# Altium PCB PicoHAL.pcbdoc (part 1 of 5) (continued)
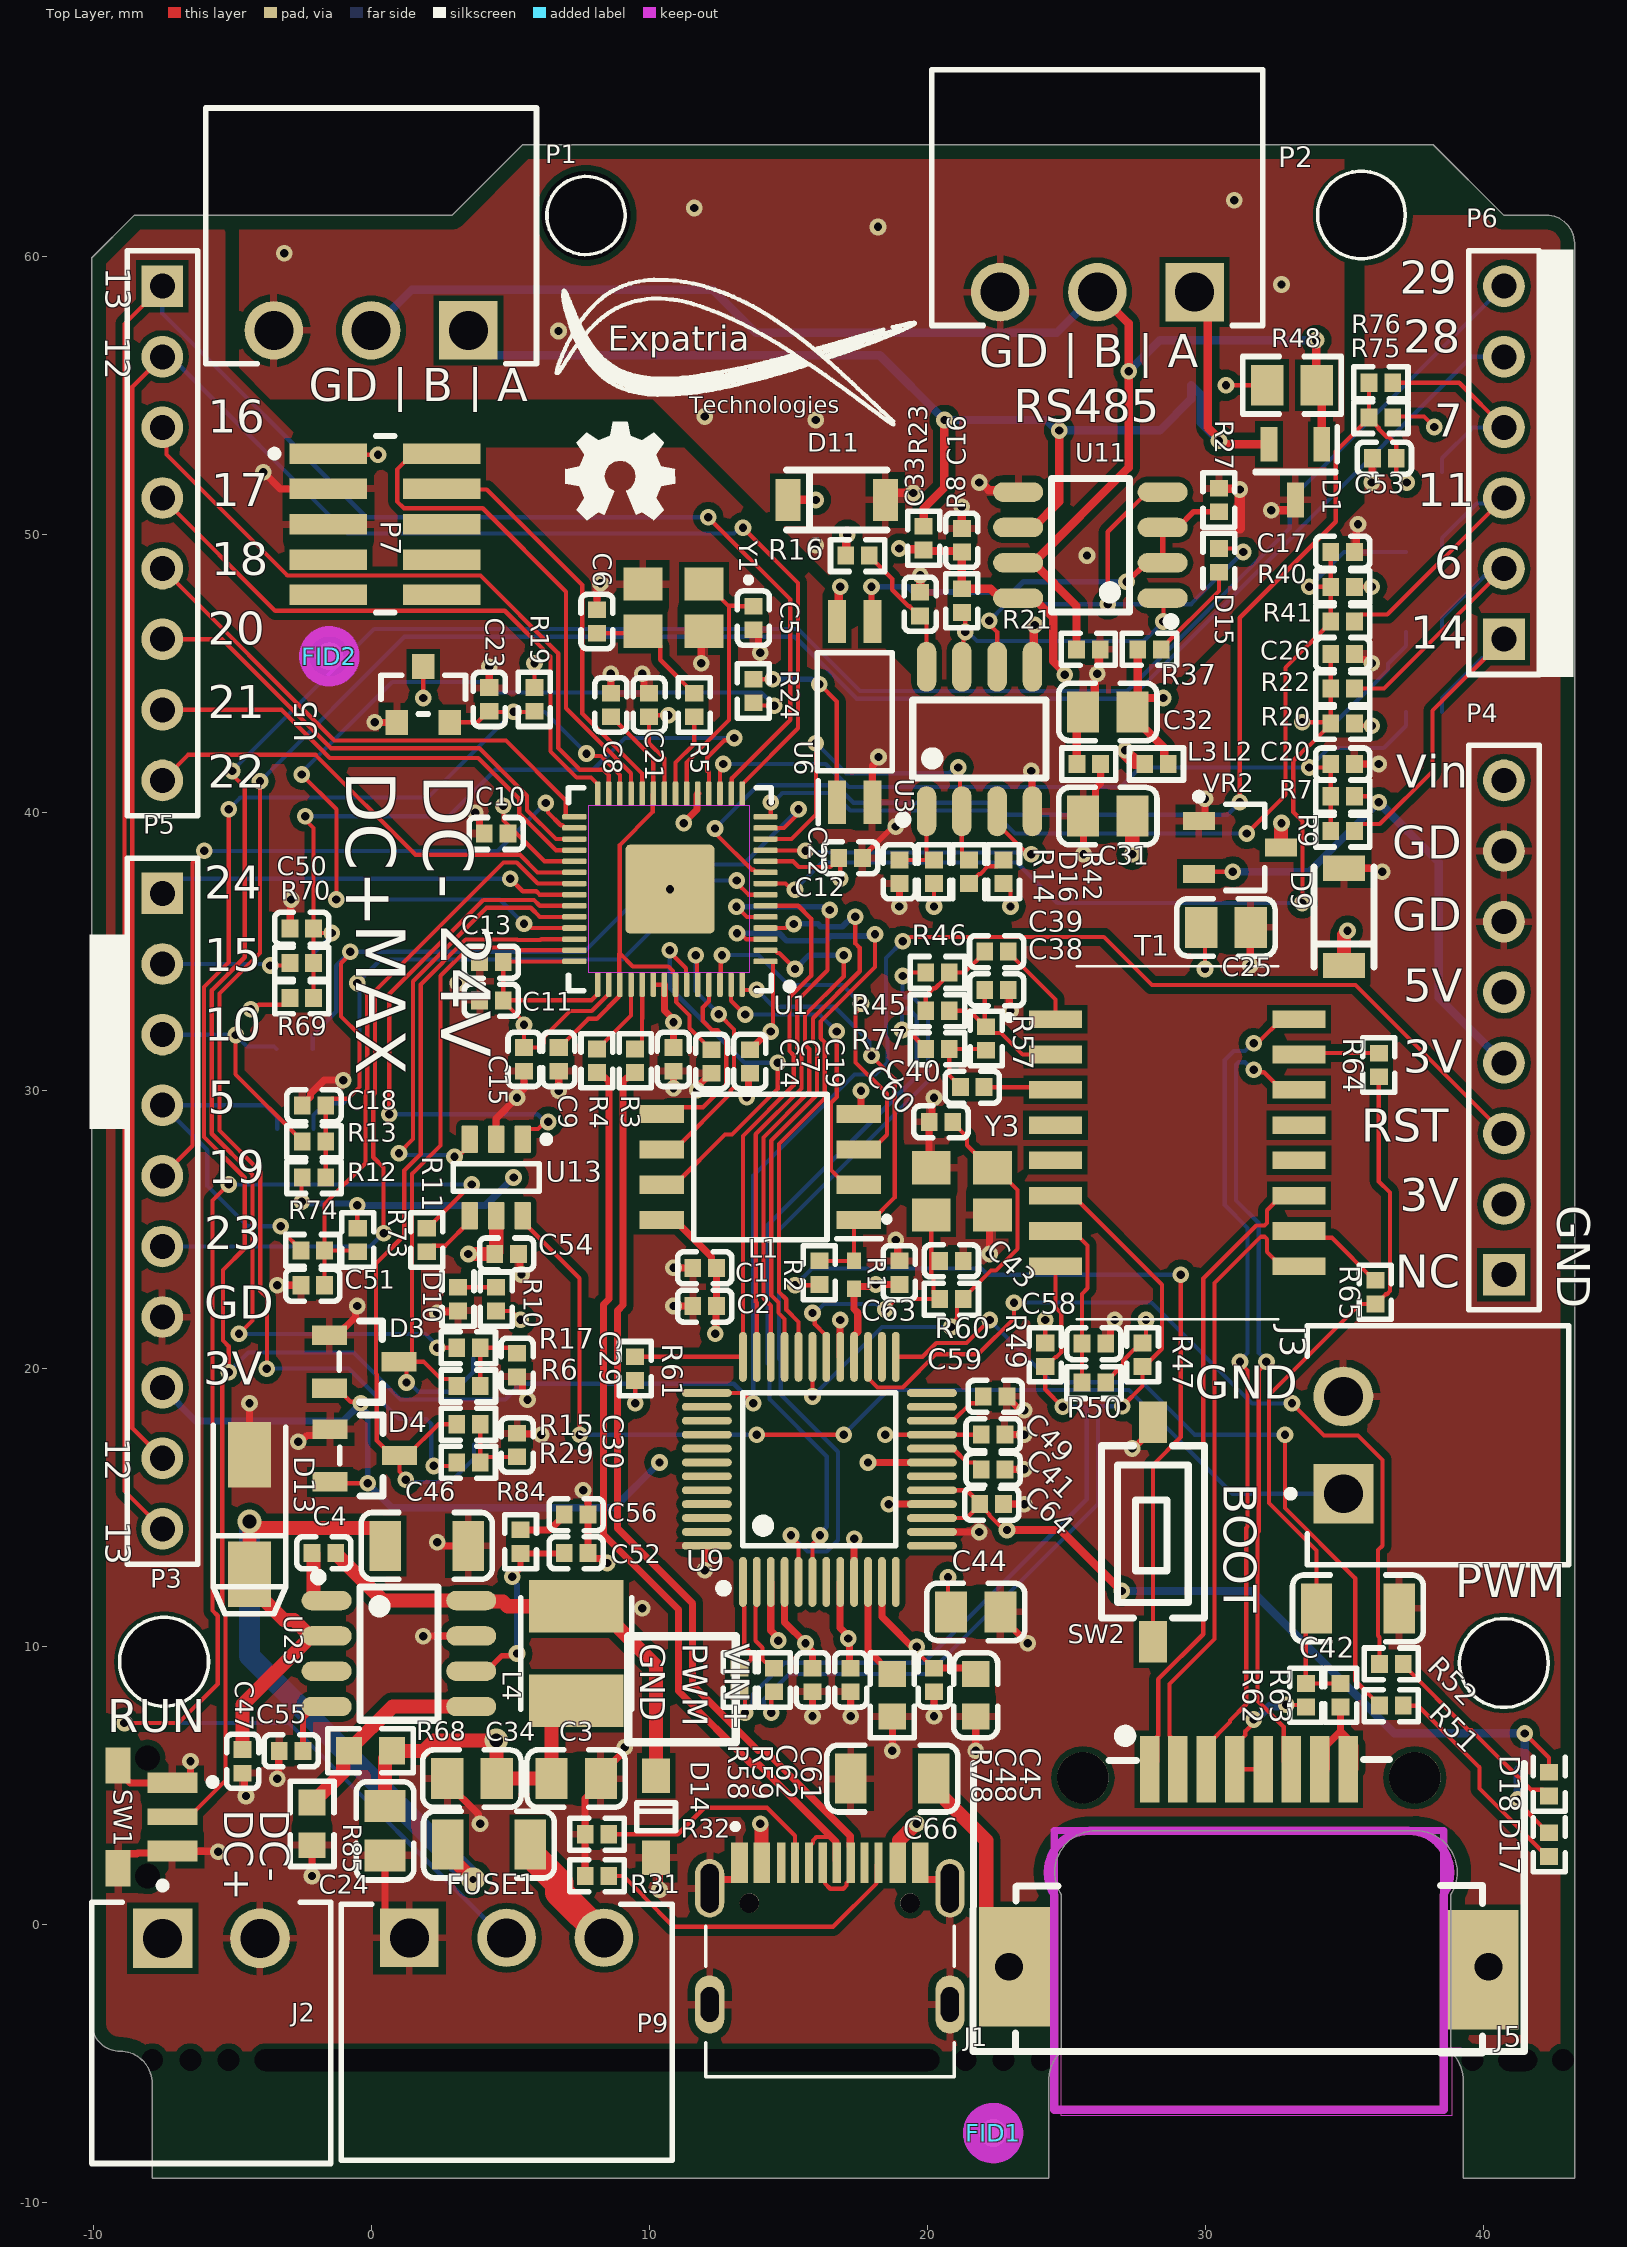
[diagram p0: Top Layer view]
## Footprints (in the part's own frame and the unit in brackets; to place one, negate y for a bottom-side part, rotate by r counter-clockwise, add the part's x,y. Pads: shape width x height; smd on the part's side, far side on the other; paste and mask are expansions set on the pad) (continued)
  Keep-Out Layer board cut-out: -7,-8.636 -7,-0.901 -7.171,-0.518 -7.23,-0.103 -7.23,-0.103 -7.116,0.471 -6.791,0.958 -6.304,1.283 -5.73,1.397 -5.73,1.397 5.74,1.397 6.314,1.283 6.801,0.958 7.126,0.471 7.24,-0.103 7.24,-0.103 7.181,-0.518 7.01,-0.901 7.01,-0.901 7.01,-8.636
  Keep-Out Layer lines w0.254: -7.63,-6.54 -7,-6.54 -7,1.41 7.01,1.41 7.01,-6.52 7.62,-6.52
  silkscreen extent -9.93,-6.6 9.91,5.01, body extent -8.79,-9.38 8.76,5.32, height 7.26
RP2040 [mm]
  rrect50% 0.875x0.2 smd: 1(-3.437,2.6) 2(-3.437,2.2) 3(-3.437,1.8) 4(-3.437,1.4) 5(-3.437,1) 6(-3.437,0.6) 7(-3.438,0.2) 8(-3.438,-0.2) 9(-3.438,-0.6) 10(-3.437,-1) 11(-3.437,-1.4) 12(-3.437,-1.8) 13(-3.437,-2.2) 14(-3.437,-2.6) 29(3.437,-2.6) 30(3.437,-2.2) 31(3.437,-1.8) 32(3.437,-1.4) 33(3.437,-1) 34(3.438,-0.6) 35(3.438,-0.2) 36(3.438,0.2) 37(3.437,0.6) 38(3.437,1) 39(3.437,1.4) 40(3.437,1.8) 41(3.437,2.2) 42(3.437,2.6)
  rrect50% 0.2x0.875 smd: 15(-2.6,-3.437) 16(-2.2,-3.437) 17(-1.8,-3.437) 18(-1.4,-3.437) 19(-1,-3.437) 20(-0.6,-3.437) 21(-0.2,-3.438) 22(0.2,-3.438) 23(0.6,-3.438) 24(1,-3.437) 25(1.4,-3.437) 26(1.8,-3.437) 27(2.2,-3.437) 28(2.6,-3.437) 43(2.6,3.437) 44(2.2,3.437) 45(1.8,3.437) 46(1.4,3.437) 47(1,3.437) 48(0.6,3.438) 49(0.2,3.438) 50(-0.2,3.438) 51(-0.6,3.437) 52(-1,3.437) 53(-1.4,3.437) 54(-1.8,3.437) 55(-2.2,3.437) 56(-2.6,3.437)
  rrect10% 3.2x3.2 smd: 57(0,0)
  silkscreen extent -4.43,-3.65 3.65,3.65, body extent -3.5,-3.5 3.5,3.5, height 0.9
SMTC-FTSH-105-01-L-DV_V [mm] "CONN, 10-Leads, Body 6.35x3.43mm, Pitch 1.27mm"
  rect 0.74x2.79 smd: 1(-2.54,-2.035) 2(-2.54,2.035) 3(-1.27,-2.035) 4(-1.27,2.035) 5(0,-2.035) 6(0,2.035) 7(1.27,-2.035) 8(1.27,2.035) 9(2.54,-2.035) 10(2.54,2.035)
  silkscreen extent -3.17,-4.1 3.17,0.34, body extent -3.17,-2.92 3.18,2.92, height 5.96
SOD-123 [mm]
  rect 1.25x1 smd: 1(1.475,0) 2(-1.475,0)
  silkscreen extent -0.5,-0.7 0.5,0.7, body extent -1.85,-0.77 1.85,0.78, height 1.35
SOIC127P700X200-4N [mm]
  rect 1.55x0.65 smd: 1(-3.25,0.635) 2(-3.25,-0.635) 3(3.25,-0.635) 4(3.25,0.635)
  silkscreen extent -4.03,-1.35 2.12,1.35, body extent -3.5,-1.35 3.5,1.35, height 2
SOIC127P780X195-8N [mm]
  rect 1.6x0.65 smd: 1(-3.55,1.905) 2(-3.55,0.635) 3(-3.55,-0.635) 4(-3.55,-1.905) 5(3.55,-1.905) 6(3.55,-0.635) 7(3.55,0.635) 8(3.55,1.905)
  silkscreen extent -4.35,-2.62 2.4,2.62, body extent -3.9,-2.62 3.9,2.62, height 1.95
SOIC-8_150mil [mm]
  oval 0.7x1.8 smd: 1(-1.905,-2.6) 2(-0.635,-2.6) 3(0.635,-2.6) 4(1.905,-2.6) 5(1.905,2.6) 6(0.635,2.6) 7(-0.635,2.6) 8(-1.905,2.6)
  silkscreen extent -2.9,-3.05 2.4,1.4, body extent -2.45,-3 2.45,3, height 1.75
SOT95P230X117-3N [mm]
  rect 1.25x0.6 smd: 1(-1,0.95) 2(-1,-0.95) 3(1,0)
  silkscreen extent -1.63,-1.45 0.03,1.5, body extent -1.15,-1.45 1.15,1.45, height 1.17
SOT-23(SOT-23-3) [mm]
  rect 1.25x0.7 smd: 1(1.25,-0.95) 2(1.25,0.95) 3(-1.25,0)
  silkscreen extent -0.65,-1.46 0.9,1.46, body extent -1.5,-1.5 1.5,1.5, height 1.3
SOT-23-3L [mm] "http://www.aosmd.com/res/packaging_information/SOT-23-3L.pdf"
  rect 1.15x0.65 smd: 1(1.475,-0.95) 2(1.475,0.95) 3(-1.475,0)
  silkscreen extent -0.9,-1.95 1.6,1.55, body extent -0.9,-1.55 0.9,1.55, height 1.25
SW-SMD_L6.1-W3.6-LS7.9 [mm] "Tactile Switch"
  rect 1.5x1 smd paste+0 mask+0.051: 1(-3.95,0) 2(3.95,0)
  silkscreen extent -3.1,-1.85 3.1,1.85, body extent -3.95,-1.8 3.95,1.8, height 2.5
YSX321SL [mm]
  rect 1.4x1.2 smd: 1(-1.1,-0.85) 2(1.1,-0.85) 3(1.1,0.85) 4(-1.1,0.85)
  silkscreen extent -2.8,-1.1 -2.6,-0.9, body extent -1.68,-1.33 1.68,1.33, height 0.9

## Part data
C1 C4 C7 C8 C11 C12 C13 C14 C15 C19 C21 C22 C23 C29 C30 C33 C48 C49 C61 C62 C63 C64: library part "0402 100nF (104) 10% 16V", "Chip capacitors", Manufacturer="Samsung Electro-Mechanics", Package=0402, PartNumber=CL05B104KO5NNNC, SuppliersPartNumber=C1525, Tolerance=10%, VOLTAGE=16V, Capacitance=100nF, ComponentLink1Description="Supplier link", ComponentLink1URL=http://www.szlcsc.com/product/details_1877.html, Supplier=LC
C2 C41: library part "0402 4.7uF (475) 20% 10V", "Chip capacitor", Manufacturer="Samsung Electro-Mechanics", Package=0402, PartNumber=CL05A475MP5NRNC, SuppliersPartNumber=C23733, Tolerance=20%, VOLTAGE=10V, Capacitance=4.7uF, ComponentLink1Description="Supplier link", ComponentLink1URL=http://www.szlcsc.com/product/details_24469.html, Supplier=LC
C3 C24 C25 C34 C44: library part "0805 22uF (226) 20% 25V", "Chip capacitors", Manufacturer="Samsung Electro-Mechanics", Package=0805, PartNumber=CL21A226MAQNNNE, SuppliersPartNumber=C2922481, Tolerance=20%, VOLTAGE=25V, Capacitance=22uF, ComponentLink1Description="Supplier link", ComponentLink1URL=http://www.szlcsc.com/product/details_46786.html, Supplier=LC
C5 C6: library part "0402 20pF (200) 5% 50V", "Chip capacitors", Manufacturer="Guangdong Fenghua Advanced Tech", Package=0402, PartNumber=0402CG200J500NT, SuppliersPartNumber=C1554, Tolerance=5%, VOLTAGE=50V, Capacitance=20pF, ComponentLink1Description="Supplier link", ComponentLink1URL=http://www.szlcsc.com/product/details_1906.html, Supplier=LC
C9 C10 C16 C54: library part "0402 1.0uF (105) 10% 25V", "Chip capacitor", Capacitance=1uF, Manufacturer="Samsung Electro-Mechanics", Package=0402, PartNumber=CL05A105KA5NQNC, SuppliersPartNumber=C52923, Tolerance=10%, VOLTAGE=25V, ComponentLink1Description="Supplier link", ComponentLink1URL=http://www.szlcsc.com/product/details_53938.html, Supplier=LC
C17 C18 C20 C26 C50 C51 C53: library part "0402 470nF (474) 10% 10V", "Chip capacitors", Manufacturer="Samsung Electro-Mechanics", Package=0402, PartNumber=CL05A474KP5NNNC, SuppliersPartNumber=C47339, Tolerance=10%, VOLTAGE=10V, Capacitance=470nF, ComponentLink1Description="Supplier link", ComponentLink1URL=http://www.szlcsc.com/product/details_48344.html, Supplier=LC
C31: library part "0805 4.7uF (475) 10% 25V", "Chip capacitors", Manufacturer="Samsung Electro-Mechanics", Package=0805, PartNumber=CL21A475KAQNNNE, SuppliersPartNumber=C1779, Tolerance=10%, VOLTAGE=25V, Capacitance=4.7uF, ComponentLink1Description="Supplier link", ComponentLink1URL=http://www.szlcsc.com/product/details_2131.html, Supplier=LC
C32: library part "0805 22uF (226) 20% 25V", "Chip capacitors", Manufacturer="Samsung Electro-Mechanics", Package=0805, PartNumber=CL21A226MAQNNNE, SuppliersPartNumber=C45783, Tolerance=20%, VOLTAGE=25V, Capacitance=22uF, ComponentLink1Description="Supplier link", ComponentLink1URL=http://www.szlcsc.com/product/details_46786.html, Supplier=LC
C38 C47 C55 C56 C59: library part "0402 10nF (103) 10% 50V", "Chip capacitors", Manufacturer="Samsung Electro-Mechanics", Package=0402, PartNumber=CL05B103KB5NNNC, SuppliersPartNumber=C15195, Tolerance=10%, VOLTAGE=50V, Capacitance=10nF, ComponentLink1Description="Supplier link", ComponentLink1URL=http://www.szlcsc.com/product/details_15869.html, Supplier=LC
C39 C40: library part "0402 6.8nF (682) 10% 50V", "Chip capacitors", Manufacturer="Guangdong Fenghua Advanced Tech", Package=0402, PartNumber=0402B682K500NT, SuppliersPartNumber=C1542, Tolerance=10%, VOLTAGE=50V, Capacitance=6.8nF, ComponentLink1Description="Supplier link", ComponentLink1URL=http://www.szlcsc.com/product/details_1894.html, Supplier=LC
C42 C66: library part "1206 1nF (102) 10% 500V", "Chip capacitors", Manufacturer="Samsung Electro-Mechanics", Package=1206, PartNumber=CL31B102KGFNNNE, SuppliersPartNumber=C35216, Tolerance=10%, VOLTAGE=500V, Capacitance=1nF, ComponentLink1Description="Supplier link", ComponentLink1URL=http://www.szlcsc.com/product/details_36187.html, Supplier=LC
C43 C52 C60: library part "0402 10pF (100) 5% 50V", "Chip capacitors", Manufacturer="Samsung Electro-Mechanics", Package=0402, PartNumber=CL05C100JB5NNNC, SuppliersPartNumber=C32949, Tolerance=5%, VOLTAGE=50V, Capacitance=10pF, ComponentLink1Description="Supplier link", ComponentLink1URL=http://www.szlcsc.com/product/details_33914.html, Supplier=LC
C45: library part "0603 4.7uF (475) 10% 16V", "Chip capacitors", Manufacturer="Samsung Electro-Mechanics", Package=0603, PartNumber=CL10A475KO8NNNC, SuppliersPartNumber=C19666, Tolerance=10%, VOLTAGE=16V, Capacitance=4.7uF, ComponentLink1Description="Supplier link", ComponentLink1URL=http://www.szlcsc.com/product/details_20375.html, Supplier=LC
C46: library part "1206 10uF (106) 10% 50V", "Chip capacitors", Manufacturer="Samsung Electro-Mechanics", Package=1206, PartNumber=CL31A106KBHNNNE, SuppliersPartNumber=C13585, Tolerance=10%, VOLTAGE=50V, Capacitance=10uF, Manufacturer 1="Samsung Electro-Mechanics", Supplier=LC
C58: library part "0402 22nF (223) 10% 50V", "Chip capacitors", Manufacturer="Guangdong Fenghua Advanced Tech", Package=0402, PartNumber=0402B223K500NT, SuppliersPartNumber=C1532, Tolerance=10%, VOLTAGE=50V, Capacitance=22nF, ComponentLink1Description="Supplier link", ComponentLink1URL=http://www.szlcsc.com/product/details_1884.html, Supplier=LC
D1: library part CDSOT23-SM712, "Bidirectional 12V (Max), 7V (Max) 7.5V / 13.3V 10V / 20V 12A(8/20us) SOT-23-3 TVS RoHS", Manufacturer_Name=DOWO, SuppliersPartNumber=C293966, HEIGHT=1.17mm, Manufacturer_Part_Number=SM712
D3 D4: library part "SOT-23 BAT54S", "30V Dual 200mA 800mV@100mA SOT-23 Schottky Barrier Diodes (SBD) ROHS", Package=SOT-23, SuppliersPartNumber=C916425, ComponentLink1Description=供应商链接, ComponentLink1URL=http://www.szlcsc.com/product/details_2877.html, Supplier=LC
D9 D11: library part "LL-34 ZMM5V6", "500mW - 0.1uA @ 1V 5.6V LL-34 Zener Diodes ROHS", Package=LL-34, SuppliersPartNumber=C8062, ComponentLink1Description=供应商链接, ComponentLink1URL=http://www.szlcsc.com/product/details_8541.html, Supplier=LC
D10 D15 D17: library part "0402 LED Green", "LED", Color=Green, Package=0402, SuppliersPartNumber=C130723, Supplier=LC
D13: library part BZT52C27, "27V ±5% 1W 500nA @ 20.5V SMA(DO-214AC) Zener Diodes RoHS", Package=SMA(DO-214AC), SuppliersPartNumber=C155318, ComponentLink1Description=供应商链接, ComponentLink1URL=http://www.szlcsc.com/product/details_8541.html, Supplier=LC
D14: library part "SOD-123 B5819W  SL", "Schottky Diode", Package=SOD-123, SuppliersPartNumber=C8598, ComponentLink1Description=供应商链接, ComponentLink1URL=http://www.szlcsc.com/product/details_9093.html, Supplier=LC
D16: library part "0402 LED Red", "LED", Color=Red, Package=0402, SuppliersPartNumber=C130720, Supplier=LC
D18: library part "0402 LED Yellow", "LED", Color=Yellow, Package=0402, SuppliersPartNumber=C130721, ComponentLink1Description=供应商链接, ComponentLink1URL=http://www.szlcsc.com/product/details_73147.html, Supplier=LC
FID1 FID2: "FIDUCIAL NO ASSEMBLY", Manufacturer 1=NONE, Manufacturer Part Number 1=NONE
FUSE1: library part JK-nSMD050-24, "24V 1A 0.1s 1206 PTC Resettable Fuses RoHS", Manufacturer="Jinrui Electronic Materials Co.", Package=1206, SuppliersPartNumber=C369160, PartNumber=JK-nSMD050-24, Supplier=LC
J1: "USB Connectors 24 Receptacle 1 8.94*7.3mm RoHS", Package=Package, SuppliersPartNumber=C165948, Availability=Unavailable, MF="HRO Electronics Co., Ltd.", MP=TYPE-C-31-M-12, Price=None, SnapEDA_Link=https://www.snapeda.com/parts/TYPE-C-31-M-12/HRO%20Electronics%20Co.,%20Ltd./view-part/3228496/?ref=snap
J2: library part CMP-1502-01791-2, "TERM BLOCK HDR 2POS 90DEG 3.5MM", Color=Green, Current=10A, Flammability Rating="UL94 V-0", Package Quantity=1000, SuppliersPartNumber=C395830, VOLTAGE=300V, Contact Material=Brass, HEIGHT=9.2mm, Housing Material=Nylon, Lead Free="Lead Free", Length=10.5mm, Mount="Through Hole", Number of Contacts=2, Number of Levels=1, Number of Positions=2, Number of Positions Per Level=2, Number of Rows=1, Packaging=Bulk, Pitch=3.5mm, RoHS Compliant=Yes, Series="WR-TBL Series 3221", Termination=Solder, Width=8.1mm
J3: library part CMP-1502-01791-2, "TERM BLOCK HDR 2POS 90DEG 3.5MM", SuppliersPartNumber=C880572
J4 J7 J8 J9 J10 J11 J12 J13 J14 J15: library part 2waySolderNO, ComponentLink1Description=Source, ComponentLink1URL=http://www.edatools.cz/addons
J5: library part MJ88-B011-HLSV6-P, "Micro USB", SuppliersPartNumber=C501463, MF=Heling, Part+Number=MJ88-B011-HLSV6-P
L1: "Inductor", Arrow Part Number="W25Q128JVSIQ TR", Manufacturer_Name=Winbond, Mouser Part Number=454-W25Q128JVSIQTR, SuppliersPartNumber=C97521, Arrow Price/Stock=https://www.arrow.com/en/products/w25q128jvsiqtr/winbond-electronics?region=nac, Datasheet Link=http://www.winbond.com/resource-files/w25q128jv%20spi%20revc%2011162016.pdf, HEIGHT=1.95mm, Manufacturer_Part_Number="W25Q128JVSIQ TR", Mouser Price/Stock=https://www.mouser.co.uk/ProductDetail/Winbond/W25Q128JVSIQ-TR?qs=qSfuJ%252Bfl%2Fd7vTyLA9kNdGw%3D%3D
L2 L3: library part "0402 220R@100Mhz 0.1A", "Ferrite Bead", Package=0402, SuppliersPartNumber=C92617, Supplier=LC
L4: library part "4x4x3 22uH 20%", "1A 22uH ±20% SMD,4x4x3mm Power Inductors ROHS", Package=SMD,4x4x3mm, SuppliersPartNumber=C167883, Supplier=LC
P1: library part CMP-1502-01792-1, "Serie 3221 - 3.50mm Horizontal PCB Header WR-TBL, 3 pin", Manufacturer="Wurth Elektronik", Operating Temperature=-40to105degC, SuppliersPartNumber=C430551, Datasheet URL=http://katalog.we-online.de/em/datasheet/6913221100xx.pdf, Gender=Male, Manufacturer URL=http://www.we-online.de, Mounting Technology=THT, Package Reference=691322110003, Packaging=Box, Part Number=691322110003, Pin Number=3, Pitch=3.50mm, Publisher=WurthElektronik
P2 P9: library part CMP-1502-01792-1, "Serie 3221 - 3.50mm Horizontal PCB Header WR-TBL, 3 pin", SuppliersPartNumber=C880573
P3: library part "Header 10", "Header, 10-Pin", SuppliersPartNumber=C2905418, LatestRevisionDate=17-Jul-2002, LatestRevisionNote="Re-released for DXP Platform.", Publisher="Altium Limited"
P4 P5: library part "Header 8", "Header, 8-Pin", SuppliersPartNumber=C27438, LatestRevisionDate=17-Jul-2002, LatestRevisionNote="Re-released for DXP Platform.", Publisher="Altium Limited"
P6: library part "Header 6", "Header, 6-Pin", SuppliersPartNumber=C40877, LatestRevisionDate=17-Jul-2002, LatestRevisionNote="Re-released for DXP Platform.", Publisher="Altium Limited"
P7: library part CMP-2000-05354-1, "Male Header, Pitch 1.27 mm, 2 x 5 Position, Height 5.96 mm, -55 to 125 degC, RoHS, Bulk", Color=Black, Manufacturer=Samtec, Standard Package=1, Catalog Drawings=FTSHSeriesFTSHSeriesSMTSide, Category=Connectors,Interconnects, Connector Type=Header,Unshrouded, Contact Finish=Gold, Contact Finish Thickness=10µin(0.25µm), Contact Mating Length="0.120\"(3.05mm)", Contact Type=MalePin, Datasheet URL=https://datasheet.ciiva.com/30493/0900766b80adfe36-30493006.pdf, Datasheet Version=Feb-08, EDA / CAD Models=DownloadfromAcceleratedDesigns, Family=RectangularConnectors-Headers,MalePins, Fastening Type=-, Featured Product=Board-To-BoardInterconnectSystems, Features=-, Manufacturer URL=http://www.samtec.com/, Mating Products="FLE-105-01-G-DV-TR-ND-CONNSKT1.27MM10POSDUALSMDCLP-105-02-G-D-P-TR-ND-CONNRCPT10POSDUAL.05\"SMDSFMC-105-L2-S-D-TR-ND-CONN.05\"SURFACE10POSSMTSFMH-105-02-L-D-TR-ND-CONNRECEPT10POS.50\"SMTFLE-105-01-G-DV-A-ND-CONNSKT1.27MM10POSDUALSMDCLP-105-02-G-D-BE-ND-CONNRCPT10POSDUAL.05\"SMDFLE-105-01-G-DV-A-P-ND-CONNSKT1.27MM10POSDUALSMDSAM1153-05-ND-CONNRCPT10POSDUAL.05\"SMDSAM1155-05-ND-CONNRCPT10POSDUAL.05\"SMDSAM1154-05-ND-CONNRCPT10POSDUAL.05\"SMDSFMH-105-02-L-D-LC-ND-CONNRECEPT10POS.50\"SMTSAM1226-05-ND-CONNRCPT.05\"10POSDUALSMD", Mounting Type=SurfaceMount, Number of Positions=10, Number of Positions Loaded=All, Number of Rows=2, Online Catalog=FTSHSeries, Other Names=SAM1161-05, Packaging=Bulk, Pitch="0.050\"(1.27mm)", Product Training Modules=Board-to-BoardConnectors, Row Spacing="0.050\"(1.27mm)", Series=FTSH, Termination=Solder
R1: library part RES, "Resistor, ±5%, 0.05W", Part Number=R0201-0R, Part number IPS=00000003245, Artikkelnr Noca=N.A., ComponentLink1Description=Datasheet, ComponentLink2Description="Supplier link", Footprint Doc=0201, LatestRevisionDate=2017-11-09, Note="Chip Res 5%", Pin Count=2, Published=2014-11-13, Publisher="Nordic Semiconductor"
R2 R8 R10 R21 R23 R27: library part "0402 1K (1001) 1%", "Chip resistor", Manufacturer="Uniroyal Elec", Package=0402, PartNumber=0402WGF1001TCE, Power=1/16W, Resistance=1KΩ, SuppliersPartNumber=C11702, Tolerance=1%, ComponentLink1Description="Supplier link", ComponentLink1URL=http://www.szlcsc.com/product/details_12256.html, Supplier=LC
R3 R4: library part "0402 22R (22R0) 1%", "Chip resistor", Manufacturer="Uniroyal Elec", Package=0402, PartNumber=0402WGF220JTCE, Power=1/16W, Resistance=22Ω, SuppliersPartNumber=C25092, Tolerance=1%, ComponentLink1Description="Supplier link", ComponentLink1URL=http://www.szlcsc.com/product/details_25835.html, Supplier=LC
R5: library part "0402 470R (4700) 1%", "Chip resistor", Manufacturer="Uniroyal Elec", Package=0402, PartNumber=0402WGF4700TCE, Power=1/16W, Resistance=470Ω, SuppliersPartNumber=C25117, Tolerance=1%, ComponentLink1Description="Supplier link", ComponentLink1URL=http://www.szlcsc.com/product/details_25860.html, Supplier=LC
R6 R15 R17 R29: library part "0402 2.2K (2201) 1%", "Chip resistor", Manufacturer="Uniroyal Elec", Package=0402, PartNumber=0402WGF2201TCE, Power=1/16W, Resistance=2.2KΩ, SuppliersPartNumber=C25879, Tolerance=1%, ComponentLink1Description="Supplier link", ComponentLink1URL=http://www.szlcsc.com/product/details_26622.html, Supplier=LC
R7 R12 R19 R20 R40 R69 R73 R75: library part "0402 10K (1002) 1%", "Chip resistor", Manufacturer="Uniroyal Elec", Package=0402, PartNumber=0402WGF1002TCE, Power=1/16W, Resistance=10KΩ, SuppliersPartNumber=C25744, Tolerance=1%, ComponentLink1Description="Supplier link", ComponentLink1URL=http://www.szlcsc.com/product/details_26487.html, Supplier=LC
R9 R13 R22 R41 R42 R70 R74 R76: library part "0402 510R (5100) 1%", "Chip resistor", Manufacturer="Uniroyal Elec", Package=0402, PartNumber=0402WGF5100TCE, Power=1/16W, Resistance=510Ω, SuppliersPartNumber=C25123, Tolerance=1%, Supplier=LC
  R9 R13 R22 R41 R70 R74 R76: ComponentLink1Description="Supplier link", ComponentLink1URL=http://www.szlcsc.com/product/details_25866.html
R11 R62 R63 R64 R65: library part "0402 75R (75R0) 1%", "Chip resistor", Manufacturer="Uniroyal Elec", Package=0402, PartNumber=0402WGF750JTCE, Power=1/16W, Resistance=75Ω, SuppliersPartNumber=C25133, Tolerance=1%, ComponentLink1Description="Supplier link", ComponentLink1URL=http://www.szlcsc.com/product/details_25876.html, Supplier=LC
R14 R16: library part "0402 0R (0R0) 1%", "Chip resistor", Manufacturer="Uniroyal Elec", Package=0402, PartNumber=0402WGF0000TCE, Power=1/16W, Resistance=0Ω, SuppliersPartNumber=C17168, Tolerance=1%, ComponentLink1Description="Supplier link", ComponentLink1URL=http://www.szlcsc.com/product/details_17853.html, Supplier=LC
R24: library part "0402 200R (2000) 1%", "Chip resistor", Manufacturer="Uniroyal Elec", Package=0402, PartNumber=0402WGF2000TCE, Power=1/16W, Resistance=200Ω, SuppliersPartNumber=C25087, Tolerance=1%, ComponentLink1Description="Supplier link", ComponentLink1URL=http://www.szlcsc.com/product/details_25830.html, Supplier=LC
R31 R32: library part "0402 5.1K (5101) 1%", "Chip resistor", Manufacturer="Uniroyal Elec", Package=0402, PartNumber=0402WGF5101TCE, Power=1/16W, Resistance=51.1KΩ, SuppliersPartNumber=C25905, Tolerance=1%, ComponentLink1Description="Supplier link", ComponentLink1URL=http://www.szlcsc.com/product/details_26648.html, Supplier=LC
R37: library part "0402 2.4K (2401) 1%", "Chip resistor", Manufacturer="Uniroyal Elec", Package=0402, PartNumber=0402WGF2401TCE, Power=1/16W, Resistance=2.4KΩ, SuppliersPartNumber=C25882, Tolerance=1%, ComponentLink1Description="Supplier link", ComponentLink1URL=http://www.szlcsc.com/product/details_26625.html, Supplier=LC
R45 R47 R49 R57: library part "0402 49.9R (49R9) 1%", "Chip resistor", Manufacturer="Uniroyal Elec", Package=0402, PartNumber=0402WGF499JTCE, Power=1/16W, Resistance=49.9Ω, SuppliersPartNumber=C25120, Tolerance=1%, ComponentLink1Description="Supplier link", ComponentLink1URL=http://www.szlcsc.com/product/details_25863.html, Supplier=LC
R46 R58 R59 R77: library part "0402 33R (33R0) 1%", "Chip resistor", Manufacturer="Uniroyal Elec", Package=0402, PartNumber=0402WGF330JTCE, Power=1/16W, Resistance=33Ω, SuppliersPartNumber=C25105, Tolerance=1%, ComponentLink1Description="Supplier link", ComponentLink1URL=http://www.szlcsc.com/product/details_25848.html, Supplier=LC
R48: library part "0805 120R (1200) 1%", "Chip resistor", Manufacturer="Uniroyal Elec", Package=0805, Power=1/8W, SuppliersPartNumber=C17437, Tolerance=1%, ComponentLink1Description="Supplier link", ComponentLink1URL=http://www.szlcsc.com/product/details_18125.html, Supplier=LC
R50: library part "0402 10R (10R0) 1%", "Chip resistor", Manufacturer="Uniroyal Elec", Package=0402, PartNumber=0402WGF100JTCE, Power=1/16W, Resistance=10Ω, SuppliersPartNumber=C25077, Tolerance=1%, ComponentLink1Description="Supplier link", ComponentLink1URL=http://www.szlcsc.com/product/details_25820.html, Supplier=LC
R51 R52: library part "0402 330R (3300) 1%", "Chip resistor", Manufacturer="Uniroyal Elec", Package=0402, PartNumber=0402WGF3300TCE, Power=1/16W, Resistance=330Ω, SuppliersPartNumber=C25104, Tolerance=1%, ComponentLink1Description="Supplier link", ComponentLink1URL=http://www.szlcsc.com/product/details_25847.html, Supplier=LC
R60: library part "0402 1M (1004) 1%", "Chip resistor", Manufacturer="Uniroyal Elec", Package=0402, PartNumber=0402WGF1004TCE, Power=1/16W, Resistance=1MΩ, SuppliersPartNumber=C26083, Tolerance=1%, ComponentLink1Description="Supplier link", ComponentLink1URL=http://www.szlcsc.com/product/details_26826.html, Supplier=LC
R61: library part "0402 4.7K (4701) 1%", "Chip resistor", Manufacturer="Uniroyal Elec", Package=0402, PartNumber=0402WGF4701TCE, Power=1/16W, Resistance=4.7KΩ, SuppliersPartNumber=C25900, Tolerance=1%, ComponentLink1Description="Supplier link", ComponentLink1URL=http://www.szlcsc.com/product/details_26643.html, Supplier=LC
R68: library part "0603 10K (1002) 1%", "Chip resistor", Manufacturer="Uniroyal Elec", Package=0603, PartNumber=0603WAF1002T5E, Power=1/10W, Resistance=10KΩ, SuppliersPartNumber=C25804, Tolerance=1%, ComponentLink1Description="Supplier link", ComponentLink1URL=http://www.szlcsc.com/product/details_26547.html, Supplier=LC
R78: library part "0603 10K (1002) 1%", "Chip resistor", Manufacturer="Uniroyal Elec", Package=0603, PartNumber=0603WAF1242T5E, Power=1/10W, Resistance=12.4K, SuppliersPartNumber=C22865, Tolerance=1%, ComponentLink1Description="Supplier link", ComponentLink1URL=http://www.szlcsc.com/product/details_26547.html, Supplier=LC
R84: library part "0402 47K (4702) 1%", "Chip resistor", Manufacturer="Uniroyal Elec", Package=0402, PartNumber=0402WGF4702TCE, Power=1/16W, Resistance=47KΩ, SuppliersPartNumber=C25792, Tolerance=1%, ComponentLink1Description="Supplier link", ComponentLink1URL=http://www.szlcsc.com/product/details_26535.html, Supplier=LC
R85: library part "0603 2K (2001) 1%", "Chip resistor", Manufacturer="Uniroyal Elec", Package=0603, PartNumber=0603WAF1911T5E, Power=1/10W, Resistance=1.91KΩ, SuppliersPartNumber=C22853, Tolerance=1%, ComponentLink1Description="Supplier link", ComponentLink1URL=http://www.szlcsc.com/product/details_23702.html, Supplier=LC
SW1: library part CMP-2000-07073-2, "Side Push Type, 250 V, -40 to 90 degC, 3-Pin SMD, RoHS, Tape and Reel", Manufacturer=ALPS, Maximum Current Rating=0.05@12VDCA, Maximum DC Voltage Rating=12V, Operating Force=1.6N, Package Description="3-Pin Surface Mount Device, Body 4.5 x 3.55 mm, Pitch 1.225 mm", SuppliersPartNumber=C110293, AccessRights=2147483647, ContentType="Unified Component", ContentTypeGUID=CB3C11C4-E317-11DF-B822-12313F0024A2, Datasheet URL=http://www.alps.com/prod/info/E/PDF/Tact/SurfaceMount/SKRT/SKRT.PDF, Datasheet Version=06/2015, Folder="Unified Components\Components\New Releases\New\", FolderGUID=B7F4506A-9127-42E7-A087-46FE7B18D116, ItemGUID=EAC55BEC-37DC-4BDB-8BA7-D75E6D5C3D75, ItemHRID=CMP-2000-07073, LifeCycle=Released, LifeCycleStateGUID=61E382EE-6656-4F12-9E24-BE9327104A25, Manufacturer URL=http://www.alps.com/e/, Mounting=SurfaceMount, Mounting Technology=SurfaceMount, Package Reference=SKRTLAE010, Packaging=Tape&Reel, Pole Throw Configuration=SPST, Rad Hard=No, ReleaseDate="22/09/2017 06:13:25 AM", RevisionId=1, Switch Configuration=N.O.
SW2: "Tactile Switches  3.6mm 2.5mm Rectangle button Brick nogging SPST 6.1mm 250gf SMD ROHS", Manufacturer 1=Yuandi, SuppliersPartNumber=C520860, Manufacturer Part Number 1=TS-1092S-B3D2-G, Size=6.1mm, Width=3.5mm
T1: "Transformer", Manufacturer_Name="Hanrun Electronics", Datasheet Link=https://datasheet.lcsc.com/szlcsc/Zhongshan-HanRun-Elec-HR641680E_C189555.pdf, HEIGHT=5.715mm, Manufacturer_Part_Number=HR641680E
U1: "RP2040 First MCU from RPI", SuppliersPartNumber=C2040
U3: "Dual Channel Isolator", Package=SOIC-8_150mil, SuppliersPartNumber=C476472, ComponentLink1Description=供应商链接, ComponentLink1URL=http://www.szlcsc.com/product/details_10199.html, Supplier=LC
U5: library part CMP-07130-000007-1, "IC MPU SUPERVISORY 2.93V SOT23", Manufacturer="ON SEMICONDUCTOR", Max Junction Temp=+125°C, Max Supply Voltage=5.5V, Min Supply Voltage=1V, Nominal Supply Current=0.5-0.8uA, Output Current=20mA, Output Voltage=0.3V, Package=318-08, SuppliersPartNumber=C9965, Temperature="-40°C to +125°C", Temperature Range Low=-40°C, Threshold Voltage=2.93V, Automotive=No, Category=IC, ComponentLink2Description=Datasheet, ComponentLink2URL=https://www.onsemi.cn/PowerSolutions/document/MAX809S-D.PDF, Device Class L1="Integrated Circuits (ICs)", Device Class L2="Power Management ICs", Device Class L3="Voltage Supervisors", Digikey Description="IC MPU SUPERVISORY 2.93V SOT23", Footprint Url=https://www.onsemi.com/pub/Collateral/318-08.PDF, HEIGHT=1.11mm, Lead Free=Yes, Manufacturer Part Number=MAX809STRG, Mouser Description="Supervisory Circuits 2.93V uP Reset", Number of Outputs=1, Number Of Rails Monitored=1, Octopart=https://octopart.com/max809strg-on+semiconductor-509853, Reset Timeout=10us, Reset Type="Active Low", RoHS=TRUE, Standoff Height=0.01mm, Temperature Range High=+125°C
U6: library part EL3H7(C)(TA)-G_[C92243], "80V -55℃~+110℃ 50mA 3us@2mA,100Ω 5us@2mA,100Ω 0.1V@1mA,10mA 1 6V 1.2V 光电三极管 DC 3750V SSOP-4 Optocouplers - Phototransistor Output ROHS", Package=SSOP-4, SuppliersPartNumber=C92243, ComponentLink1Description=供应商链接, ComponentLink1URL=http://www.szlcsc.com/product/details_7114.html, Supplier=LC
U9: library part W5500_[C32843], "Ethernet Controllers 2.97V ~ 3.63V 10/100 Base-T/TX PHY SPI LQFP-48_7x7x05P Ethernet ICs ROHS", Package=LQFP-48_7x7x05P, SuppliersPartNumber=C32843, ComponentLink1Description=供应商链接, ComponentLink1URL=http://www.szlcsc.com/product/details_33808.html, Supplier=LC
U11: library part SN75176BDR_[C7063], "RS-485/RS-422", Package=SOIC-8_150mil, SuppliersPartNumber=C7063, ComponentLink1Description=供应商链接, ComponentLink1URL=http://www.szlcsc.com/product/details_7535.html, Supplier=LC
U13: library part CMP-0859-00225-4, "Dual Schmitt-Trigger Buffer, DBV0006A, LARGE T&R", F @ Nom Voltage(Max)(Mhz)=150, Generic Part Number=SN74LVC2G17, ICC @ Nom Voltage(Max)(mA)=0.01, Manufacturer="Texas Instruments", Operating Temperature Range(C)="-40 to 125,-40 to 85", Rating=Catalog, SuppliersPartNumber=C10429, tpd @ Nom Voltage(Max)(ns)=9.3,5.7,5.4,4.3, Voltage(Nom)(V)=1.8,2.5,3.3,5, 3-State Output=No, Bits(#)=2, DatasheetVersion=SCES381N, Input Type=CMOS/TTL, Logic=True, Manufacturer Part Number=SN74LVC2G17DBVR, Output Drive (IOL/IOH)(Max)(mA)=32/-32, Output Type=CMOS, PackageReference=DBV0006A, Schmitt Trigger=Yes, Sub-Family="Non-Inverting Buffer/Driver", Technology Family=LVC, VCC(Max)(V)=5.5, VCC(Min)(V)=1.65
U23: library part TPS54331DR_[C9865], "Switching Voltage Regulators 3A 28V In Step Down SWIFT DC/DC Cnvrtr", Package=SOIC-8_150mil, SuppliersPartNumber=C9865, Supplier=LC
VR2: library part "SOT-23 XC6206P332MR", "200mA 680mV@(100mA) Fixed 3.3V~3.3V Positive 1 6V SOT-23-3L Linear Voltage Regulators (LDO) ROHS", Package=SOT-23, SuppliersPartNumber=C5446, ComponentLink1Description=供应商链接, ComponentLink1URL=http://www.szlcsc.com/product/details_5896.html, Supplier=LC
Y1: "Crystal or Oscillator", Manufacturer_Name=YXC, SuppliersPartNumber=C9002, Datasheet Link=https://datasheet.lcsc.com/szlcsc/YSX321SL-30MHZ-10PF-8PPM_C70576.pdf, HEIGHT=0.8mm, Manufacturer_Part_Number=YSX321SL
Y3: library part YSX321SL, "Crystal or Oscillator", Manufacturer_Name="Yangxing Tech", Manufacturer_Part_Number=X322525MSB4SI, SuppliersPartNumber=C13740, HEIGHT=0.8mm